# KiCad board FD-checkver.kicad_pcb (continued)
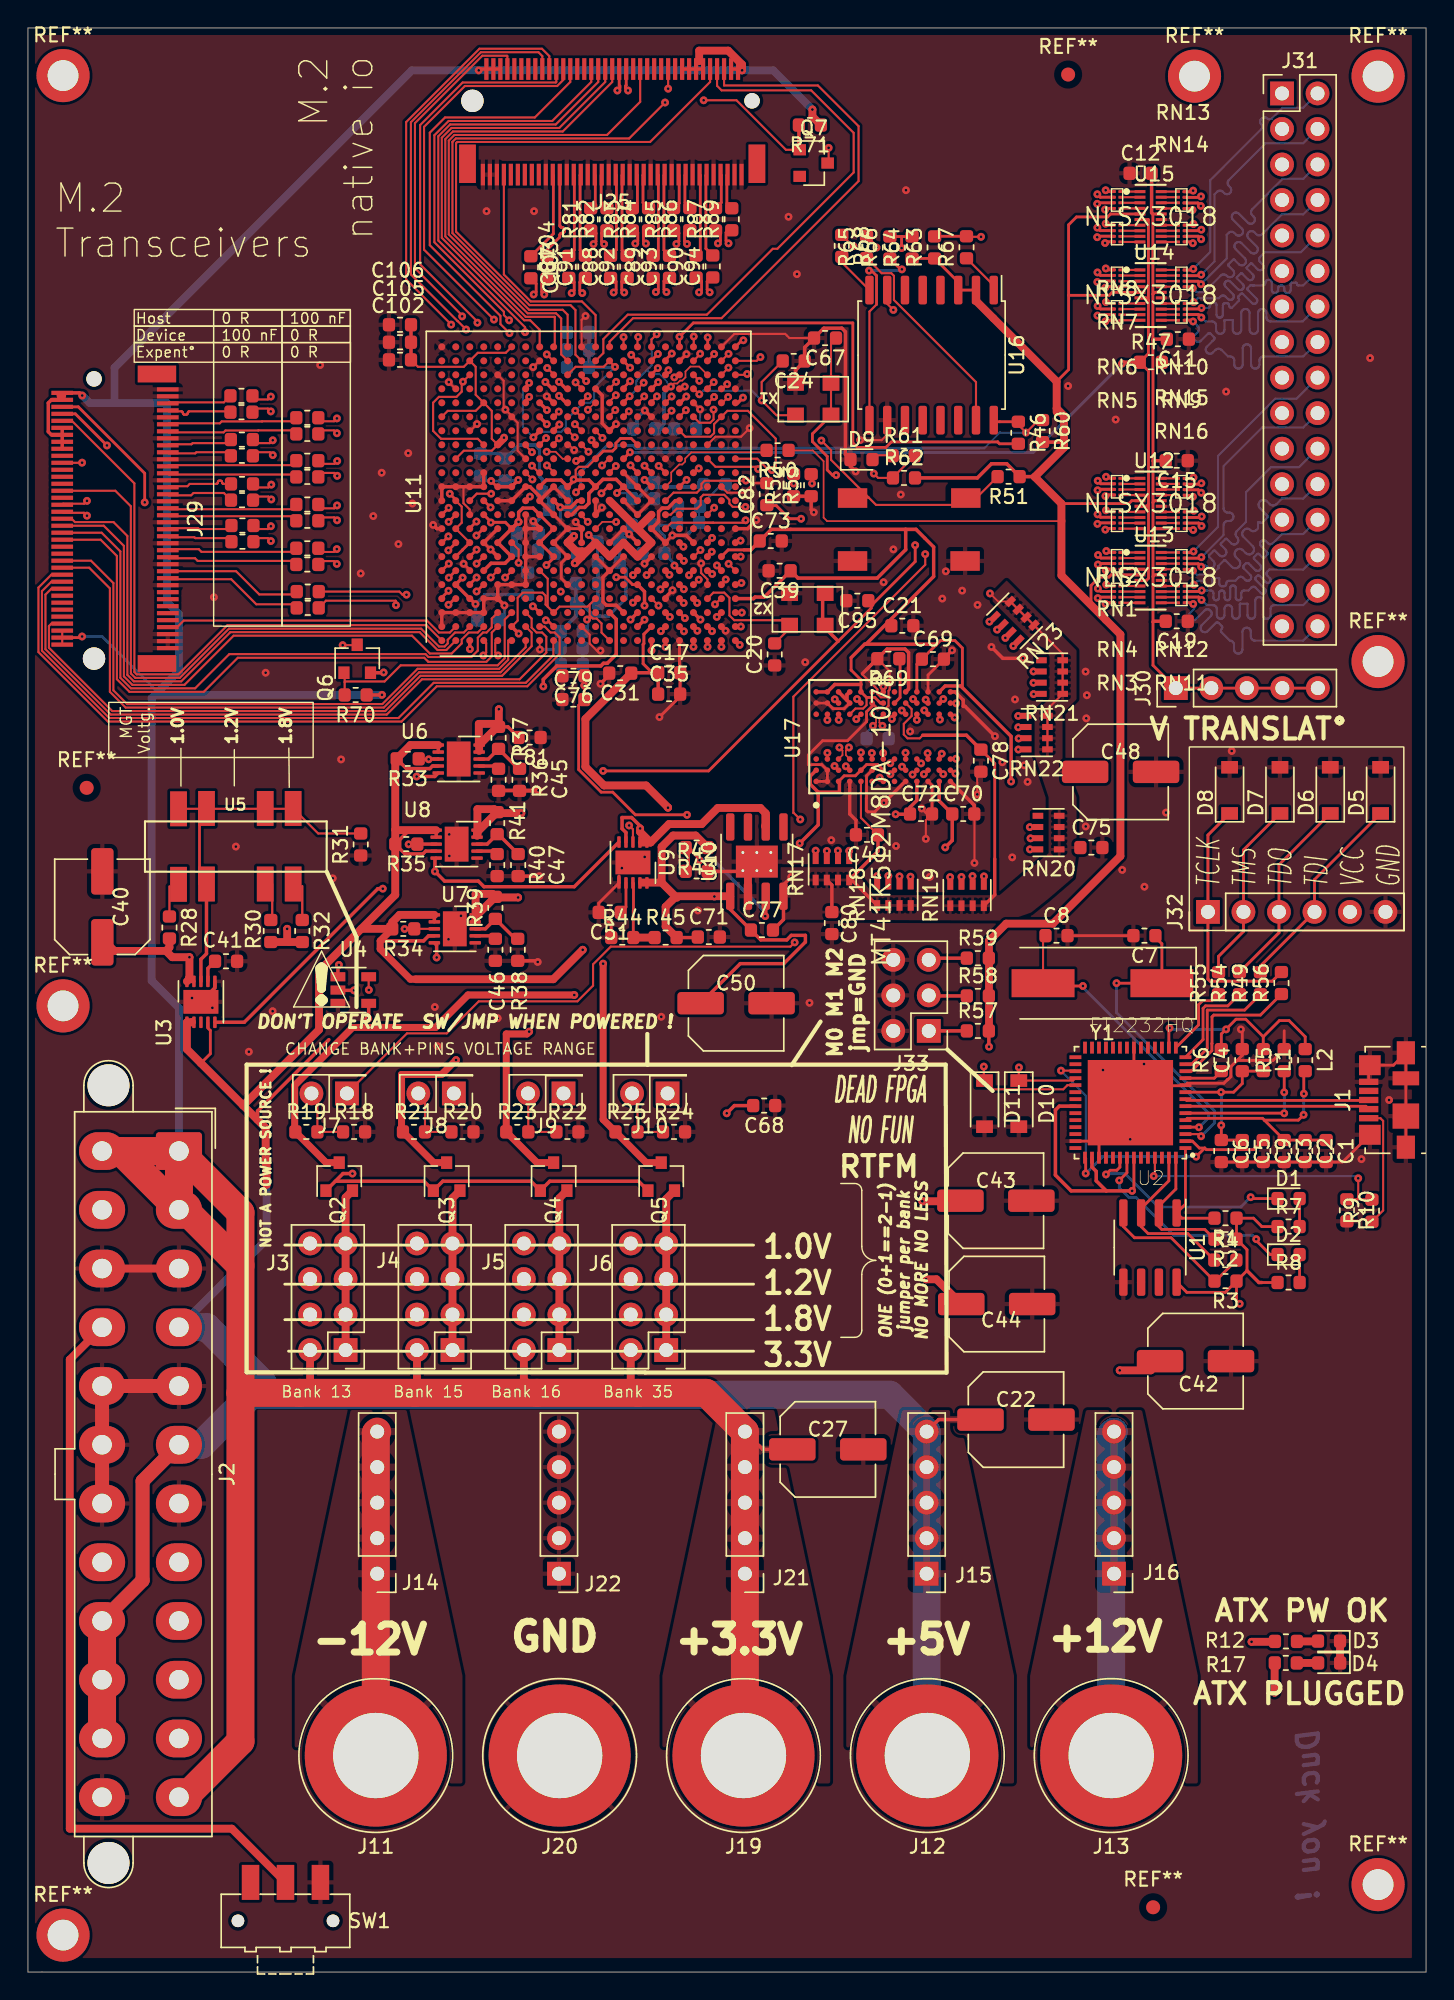
[diagram p0: board, top side]
## Routing (per net, layer and track width the routed paths; a pad name or vN(x,y) marks a point on that pad's centre or on a via; arc(x,y) is an arc through that point) (continued)
  In2.Cu_SigDDR w0.15: v1(37.1,108.7) 37.1,108.29 37.02,108.21 35.83,108.21 34.61,107 34.61,105.94 38.11,102.44 v1(38.11,98.7)
  In4.Cu_SigDDR w0.12: 37.5,109.56 37.5,109.1 v1(37.1,108.7) ; 37.5,109.56 37.5,109.29 ; 37.5,109.56 37.5,109.71 37.55,109.76 37.55,111.25 v1(37.12,111.68)
  In4.Cu_SigDDR w0.2: v1(38.11,98.7) 38.31,98.5 38.31,94.08 36.38,92.15 36.38,90.32 38.13,88.56 38.13,62.99
VCCFPGA_S1_VREF_V4: length 43.4
  Top w0.25: U11.N3 42.08,96.72 42.08,94.22 41.44,93.58 41.16,93.58 40.97,93.39 37.82,93.39 36.86,92.42 v1(36.86,91.92)
  In4.Cu_SigDDR w0.25: v1(36.86,91.92) 36.86,90.3 38.46,88.7 38.46,68.4 41.27,65.59 42.98,65.59 J10.1
/fgpa-logic/m0: length 72.3
  Top w0.15: v1(51.35,106.64) 51.34,106.63 48.4,106.63 48.17,106.4 48.17,106.1 47.84,105.77 46.17,105.77 U11.U11
  Top w0.25: R57.1 J33.1
  In2.Cu_SigDDR w0.15: v1(51.35,106.64) 51.72,106.27 53.94,106.27 54.55,106.89 56.68,106.89 57.22,106.35 64.32,106.35 76.88,93.79 76.88,79.74 J33.1
/fgpa-logic/m1: length 70.4
  Top w0.15: U11.U10 45.97,104.2 46.4,104.63 47.85,104.63 48.12,104.9 48.12,105.43 48.32,105.63 49.8,105.63 50.17,105.26 50.17,105 50.41,104.76 v1(51.32,104.76) 51.33,104.77
  Top w0.25: R58.1 64.47,69.79
  In2.Cu_SigDDR w0.15: v1(51.32,104.76) 51.33,104.77 53.99,104.77 54.65,105.44 61.55,105.44 62.21,106.1 64.03,106.1 76.62,93.51 76.62,80.61 65.84,69.83 J33.3
/fgpa-logic/m2: length 68.3
  Top w0.15: 48.4,103.63 49.03,103.63 ; 49.03,103.63 46.44,103.63 ; 49.03,103.63 51.16,103.63 v1(51.33,103.8) ; 46.44,103.63 46.8,103.63 ; 46.44,103.63 46.03,103.63 U11.U9 ; 51.14,103.77 51.21,103.84
  Top w0.2: v1(51.33,103.8) 51.3,103.77 51.14,103.77
  Top w0.25: R59.1 64.55,72.49
  In2.Cu_SigDDR w0.15: J33.5 68.02,72.37 76.37,80.72 76.37,93.21 64.4,105.18 54.76,105.18 53.88,104.31 51.84,104.31 v1(51.33,103.8)
/usb-interface/D+: length 12.6
  Top w0.2: 95.35,62.32 82.88,62.32 U2.8
/usb-interface/D-: length 13.2
  Top w0.2: 82.8,61.9 95.7,61.9 J1.2
ATX_POWEROK: length 177.7
  Top w0.15: v1(24.38,70.22) 24.37,70.23 U4.5
  Top w0.244: U6.5 29.1,85.48 v1(27.8,85.48)
  Top w0.56: R12.2 89.16,23.61 v1(87.52,23.61)
  In2.Cu_SigDDR w0.15: v1(24.38,70.22) 23.89,69.73 15.43,69.73 13.64,71.52 13.64,71.65
  In2.Cu_SigDDR w0.244: v1(27.8,85.48) 27.47,85.48 12.67,70.68 12.67,31.17 J2.8
  In4.Cu_SigDDR w0.56: J2.8 21.42,29.3 32.57,18.15 32.57,10.96 33.51,10.02 80.1,10.02 87.52,17.44 v1(87.52,23.61)
DDR_A0: length 47.1
  Top w0.15: 63.58,86.72 v1(63.88,86.42) ; 50.6,100.2 v1(50.11,100.69)
  In2.Cu_SigDDR w0.15: v1(66.77,78.3) 66.77,78.32 66.3,78.79 66.3,79.05 66.3,79.08 66.31,79.11 66.33,79.14 66.35,79.16 66.38,79.18 66.41,79.19 66.47,79.19 66.5,79.2 66.53,79.22 66.55,79.24 66.57,79.27 66.58,79.3 66.58,79.33 66.58,79.35 66.58,79.38 66.57,79.41 66.55,79.44 66.53,79.46 66.5,79.48 66.47,79.49 66.44,79.49 66.3,79.49 66.3,79.5 66.16,79.5 66.13,79.5 66.1,79.51 66.07,79.53 66.05,79.55 66.03,79.58 66.02,79.61 66.02,79.64 66.02,79.66 66.02,79.69 66.03,79.72 66.05,79.75 66.07,79.77 66.1,79.79 66.13,79.8 66.19,79.8 66.22,79.81 66.25,79.83 66.27,79.85 66.29,79.88 66.3,79.91 66.3,79.94 66.3,82.21 64.53,83.98 64.53,86.17 64.28,86.42 v1(63.88,86.42)
  In4.Cu_SigDDR w0.15: v1(63.88,86.42) 63.88,87.93 64.8,88.85 66.45,88.85 67.41,89.82 67.41,91.74 67.25,91.89 67.24,91.91 67.23,91.93 67.23,91.95 67.23,91.98 67.23,92 67.24,92.02 67.27,92.05 67.28,92.07 67.28,92.09 67.28,92.12 67.28,92.14 67.27,92.16 67.25,92.18 67.04,92.39 67.02,92.4 67,92.41 66.98,92.42 66.96,92.42 66.94,92.41 66.92,92.4 66.9,92.39 66.83,92.32 66.83,92.32 66.78,92.27 66.77,92.26 66.75,92.25 66.73,92.25 66.72,92.25 66.7,92.25 66.69,92.26 66.67,92.27 66.42,92.52 66.41,92.53 66.41,92.54 66.4,92.56 66.4,92.58 66.41,92.59 66.41,92.61 66.42,92.62 66.55,92.74 66.56,92.76 66.57,92.78 66.58,92.8 66.58,92.82 66.57,92.85 66.56,92.87 66.55,92.88 66.33,93.1 66.32,93.11 66.3,93.12 66.27,93.12 66.25,93.12 66.23,93.12 66.21,93.11 66.19,93.1 66.07,92.97 66.06,92.96 66.04,92.96 66.03,92.95 66.01,92.95 65.99,92.96 65.98,92.96 65.97,92.97 65.72,93.22 65.71,93.24 65.7,93.25 65.7,93.27 65.7,93.28 65.7,93.3 65.71,93.31 65.72,93.33 65.84,93.45 65.85,93.47 65.86,93.49 65.87,93.51 65.87,93.53 65.86,93.55 65.85,93.57 65.84,93.59 65.63,93.8 65.61,93.82 65.59,93.83 65.57,93.83 65.55,93.83 65.52,93.83 65.5,93.82 65.49,93.8 65.36,93.68 65.35,93.67 65.34,93.66 65.32,93.66 65.3,93.66 65.29,93.66 65.27,93.67 65.26,93.68 65.01,93.93 65,93.94 64.99,93.96 64.99,93.97 64.99,93.99 64.99,94.01 65,94.02 65.01,94.03 65.13,94.16 65.15,94.17 65.16,94.19 65.16,94.22 65.16,94.24 65.16,94.26 65.15,94.28 65.13,94.3 64.92,94.51 64.9,94.52 64.88,94.53 64.86,94.54 64.84,94.54 64.82,94.53 64.8,94.52 64.78,94.51 64.66,94.39 64.64,94.38 64.63,94.37 64.61,94.37 64.6,94.37 64.58,94.37 64.57,94.38 64.55,94.39 64.3,94.64 64.29,94.65 64.29,94.67 64.28,94.68 64.28,94.7 64.29,94.71 64.29,94.73 64.3,94.74 64.43,94.86 64.44,94.88 64.45,94.9 64.45,94.92 64.45,94.95 64.45,94.97 64.44,94.99 64.43,95 64.21,95.22 64.2,95.23 64.18,95.24 64.15,95.25 64.13,95.25 64.11,95.24 64.09,95.23 64.07,95.22 63.95,95.1 63.94,95.09 63.92,95.08 63.91,95.07 63.89,95.07 63.87,95.08 63.86,95.09 63.85,95.1 63.6,95.34 63.59,95.36 63.58,95.37 63.58,95.39 63.58,95.4 63.58,95.42 63.59,95.44 63.6,95.45 63.72,95.57 63.73,95.59 63.74,95.61 63.75,95.63 63.75,95.65 63.74,95.67 63.73,95.69 63.72,95.71 63.51,95.92 63.49,95.94 63.47,95.95 63.45,95.95 63.42,95.95 63.4,95.95 63.38,95.94 63.37,95.92 63.24,95.8 63.23,95.79 63.21,95.78 63.2,95.78 63.18,95.78 63.17,95.78 63.15,95.79 63.14,95.8 62.89,96.05 62.88,96.06 62.87,96.08 62.87,96.1 62.87,96.11 62.87,96.13 62.88,96.14 62.89,96.16 63.01,96.28 63.03,96.3 63.04,96.32 63.04,96.34 63.04,96.36 63.04,96.38 63.03,96.4 63.01,96.42 62.8,96.63 62.78,96.65 62.76,96.66 62.74,96.66 62.72,96.66 62.7,96.66 62.68,96.65 62.66,96.63 62.54,96.51 62.52,96.5 62.51,96.49 62.49,96.49 62.48,96.49 62.46,96.49 62.44,96.5 62.43,96.51 62.18,96.76 62.17,96.77 62.16,96.79 62.16,96.8 62.16,96.82 62.16,96.84 62.17,96.85 62.18,96.86 62.3,96.99 62.32,97 62.33,97.02 62.33,97.04 62.33,97.07 62.33,97.09 62.32,97.11 62.3,97.13 62.09,97.34 62.07,97.35 62.05,97.36 62.03,97.37 62.01,97.37 61.99,97.36 61.97,97.35 61.95,97.34 61.83,97.22 61.82,97.21 61.8,97.2 61.78,97.2 61.77,97.2 61.75,97.2 61.74,97.21 61.72,97.22 61.48,97.47 61.46,97.48 61.46,97.49 61.45,97.51 61.45,97.53 61.46,97.54 61.46,97.56 61.48,97.57 61.6,97.69 61.61,97.71 61.62,97.73 61.63,97.75 61.63,97.77 61.62,97.8 61.61,97.82 61.6,97.83 61.38,98.05 61.37,98.06 61.35,98.07 61.32,98.07 61.3,98.07 61.28,98.07 61.26,98.06 61.24,98.05 61.12,97.92 61.11,97.91 61.09,97.91 61.08,97.9 61.06,97.9 61.04,97.91 61.03,97.91 61.02,97.92 60.77,98.17 60.76,98.19 60.75,98.2 60.75,98.22 60.75,98.23 60.75,98.25 60.76,98.26 60.77,98.28 60.89,98.4 60.9,98.42 60.91,98.44 60.92,98.46 60.92,98.48 60.91,98.5 60.9,98.52 60.89,98.54 60.68,98.75 60.66,98.77 60.64,98.78 60.62,98.78 60.6,98.78 60.57,98.78 60.55,98.77 60.54,98.75 60.41,98.63 60.4,98.62 60.39,98.61 60.37,98.61 60.35,98.61 60.34,98.61 60.32,98.62 60.31,98.63 60.06,98.88 60.05,98.89 60.04,98.91 60.04,98.92 60.04,98.94 60.04,98.96 60.05,98.97 60.07,99 60.08,99.01 60.08,99.03 60.08,99.05 60.08,99.06 60.07,99.08 60.06,99.09 58.68,100.47 57.23,100.47 57.19,100.47 57.15,100.45 57.12,100.43 57.09,100.4 57.07,100.37 57.06,100.33 57.05,100.26 57.04,100.22 57.02,100.19 56.99,100.16 56.96,100.14 56.92,100.12 56.88,100.12 56.63,100.12 56.59,100.12 56.55,100.14 56.52,100.16 56.49,100.19 56.47,100.22 56.46,100.26 56.45,100.33 56.44,100.37 56.42,100.4 56.39,100.43 56.36,100.45 56.32,100.47 56.28,100.47 56.03,100.47 55.99,100.47 55.95,100.45 55.92,100.43 55.89,100.4 55.87,100.37 55.86,100.33 55.85,100.26 55.84,100.22 55.82,100.19 55.79,100.16 55.76,100.14 55.72,100.12 55.68,100.12 55.43,100.12 55.39,100.12 55.35,100.14 55.32,100.16 55.29,100.19 55.27,100.22 55.26,100.26 55.25,100.33 55.24,100.37 55.22,100.4 55.19,100.43 55.16,100.45 55.12,100.47 55.08,100.47 54.83,100.47 54.79,100.47 54.75,100.45 54.72,100.43 54.69,100.4 54.67,100.37 54.66,100.33 54.65,100.26 54.64,100.22 54.62,100.19 54.59,100.16 54.56,100.14 54.52,100.12 54.48,100.12 54.23,100.12 54.19,100.12 54.15,100.14 54.12,100.16 54.09,100.19 54.07,100.22 54.06,100.26 54.05,100.33 54.04,100.37 54.02,100.4 53.99,100.43 53.96,100.45 53.92,100.47 53.88,100.47 53.63,100.47 53.59,100.47 53.55,100.45 53.52,100.43 53.49,100.4 53.47,100.37 53.46,100.33 53.45,100.26 53.44,100.22 53.42,100.19 53.39,100.16 53.36,100.14 53.32,100.12 53.28,100.12 53.03,100.12 52.99,100.12 52.95,100.14 52.92,100.16 52.89,100.19 52.87,100.22 52.86,100.26 52.85,100.33 52.84,100.37 52.82,100.4 52.79,100.43 52.76,100.45 52.72,100.47 52.68,100.47 51.59,100.47 51.37,100.69 v1(50.11,100.69)
DDR_A1: length 50.1
  Top w0.15: 64.38,89.94 v1(64.11,90.21) ; v1(45.1,97.7) U11.T4
  In2.Cu_SigDDR w0.15: v1(64.11,90.21) 64.7,90.8 64.7,90.99 64.88,91.17 64.91,91.2 64.92,91.24 64.93,91.27 64.93,91.31 64.92,91.34 64.91,91.37 64.86,91.43 64.85,91.46 64.84,91.5 64.84,91.53 64.85,91.57 64.86,91.6 64.88,91.63 64.94,91.68 64.97,91.71 65,91.72 65.04,91.73 65.07,91.73 65.11,91.72 65.14,91.71 65.17,91.68 65.28,91.57 65.29,91.58 65.35,91.52 65.37,91.51 65.38,91.5 65.4,91.5 65.42,91.5 65.44,91.5 65.46,91.51 65.47,91.52 65.63,91.68 65.65,91.7 65.65,91.72 65.66,91.74 65.66,91.75 65.65,91.77 65.65,91.79 65.63,91.8 65.46,91.98 65.44,92.01 65.42,92.04 65.42,92.07 65.42,92.11 65.42,92.14 65.44,92.18 65.46,92.2 65.52,92.26 65.55,92.28 65.58,92.3 65.61,92.31 65.65,92.31 65.68,92.3 65.72,92.28 65.74,92.26 65.93,92.07 65.95,92.05 65.98,92.04 66,92.04 66.02,92.04 66.05,92.04 66.07,92.05 66.09,92.07 66.22,92.2 66.23,92.22 66.24,92.24 66.25,92.26 66.25,92.29 66.24,92.31 66.23,92.33 66.22,92.35 66.03,92.54 66,92.57 65.99,92.6 65.98,92.64 65.98,92.67 65.99,92.71 66,92.74 66.03,92.77 66.08,92.83 66.11,92.85 66.14,92.86 66.18,92.87 66.21,92.87 66.25,92.86 66.28,92.85 66.34,92.8 66.37,92.79 66.41,92.78 66.44,92.78 66.48,92.79 66.51,92.8 66.54,92.83 66.91,93.2 68.87,93.2 v1(70.48,94.81)
  In4.Cu_SigDDR w0.15: v1(64.11,90.21) 63.76,90.56 63.76,91.23 63.22,91.76 63.21,91.78 63.21,91.79 63.2,91.81 63.2,91.82 63.21,91.84 63.21,91.85 63.23,91.88 63.24,91.89 63.24,91.91 63.24,91.93 63.24,91.94 63.23,91.96 63.22,91.97 63.08,92.11 63.07,92.12 63.05,92.13 63.04,92.13 63.02,92.13 63,92.13 62.99,92.12 62.98,92.11 62.92,92.06 62.92,92.06 62.62,91.77 62.59,91.74 62.56,91.72 62.52,91.72 62.48,91.72 62.44,91.72 62.41,91.74 62.38,91.77 62.35,91.8 62.34,91.83 62.33,91.87 62.33,91.91 62.34,91.95 62.35,91.98 62.38,92.01 62.73,92.36 62.74,92.38 62.74,92.39 62.75,92.41 62.75,92.42 62.74,92.44 62.74,92.45 62.73,92.47 62.58,92.61 62.57,92.62 62.55,92.63 62.54,92.63 62.52,92.63 62.51,92.63 62.49,92.62 62.48,92.61 62.13,92.26 62.1,92.24 62.06,92.22 62.03,92.21 61.99,92.21 61.95,92.22 61.91,92.24 61.88,92.26 61.86,92.29 61.84,92.33 61.83,92.37 61.83,92.4 61.84,92.44 61.86,92.48 61.88,92.51 62.06,92.68 62.08,92.71 62.1,92.75 62.11,92.79 62.11,92.83 62.1,92.86 62.08,92.9 62.06,92.93 61.79,93.2 61.59,93.2 61.55,93.2 61.51,93.22 61.48,93.24 61.45,93.27 61.43,93.3 61.42,93.34 61.41,93.38 61.41,93.47 61.41,93.51 61.39,93.55 61.37,93.58 61.35,93.61 61.31,93.63 61.27,93.64 61.24,93.65 61.2,93.64 61.16,93.63 61.13,93.61 61.1,93.58 61.08,93.55 61.07,93.51 61.06,93.47 61.06,92.83 61.06,92.79 61.04,92.75 61.02,92.72 61,92.69 60.96,92.67 60.92,92.66 60.89,92.65 60.85,92.66 60.81,92.67 60.78,92.69 60.75,92.72 60.73,92.75 60.72,92.79 60.71,92.83 60.71,93.03 60.71,93.06 60.69,93.1 60.67,93.13 60.65,93.16 60.61,93.18 60.57,93.2 60.54,93.2 60.5,93.2 60.46,93.18 60.43,93.16 60.4,93.13 60.38,93.1 60.37,93.06 60.36,93.03 60.36,92.83 60.36,92.79 60.34,92.75 60.32,92.72 60.3,92.69 60.26,92.67 60.22,92.66 60.19,92.65 60.15,92.66 60.11,92.67 60.08,92.69 60.05,92.72 60.03,92.75 60.02,92.79 60.01,92.83 60.01,93.03 60.01,93.06 59.99,93.1 59.97,93.13 59.95,93.16 59.91,93.18 59.87,93.2 59.84,93.2 59.8,93.2 59.76,93.18 59.73,93.16 59.7,93.13 59.68,93.1 59.67,93.06 59.66,93.03 59.66,92.83 59.66,92.79 59.64,92.75 59.62,92.72 59.6,92.69 59.56,92.67 59.52,92.66 59.49,92.65 59.45,92.66 59.41,92.67 59.38,92.69 59.35,92.72 59.33,92.75 59.32,92.79 59.31,92.83 59.31,93.03 59.31,93.06 59.29,93.1 59.27,93.13 59.25,93.16 59.21,93.18 59.17,93.2 59.14,93.2 59.1,93.2 59.06,93.18 59.03,93.16 59,93.13 58.98,93.1 58.97,93.06 58.96,93.03 58.96,92.83 58.96,92.79 58.94,92.75 58.92,92.72 58.9,92.69 58.86,92.67 58.82,92.66 58.79,92.65 58.75,92.66 58.71,92.67 58.68,92.69 58.65,92.72 58.63,92.75 58.62,92.79 58.61,92.83 58.61,93.25 58.61,93.26 58.61,93.27 58.6,93.28 58.59,93.29 58.58,93.3 58.57,93.3 58.56,93.3 58.31,93.3 58.3,93.3 58.29,93.3 58.28,93.29 58.27,93.28 58.27,93.27 58.26,93.26 58.26,93.25 58.26,92.83 58.26,92.79 58.24,92.75 58.22,92.72 58.2,92.69 58.16,92.67 58.12,92.66 58.09,92.65 58.05,92.66 58.01,92.67 57.98,92.69 57.95,92.72 57.93,92.75 57.92,92.79 57.91,92.83 57.91,93.03 57.91,93.06 57.89,93.1 57.87,93.13 57.85,93.16 57.81,93.18 57.77,93.2 57.74,93.2 57.7,93.2 57.66,93.18 57.63,93.16 57.6,93.13 57.58,93.1 57.57,93.06 57.56,93.03 57.56,92.83 57.56,92.79 57.54,92.75 57.52,92.72 57.5,92.69 57.46,92.67 57.42,92.66 57.39,92.65 57.35,92.66 57.31,92.67 57.28,92.69 57.25,92.72 57.23,92.75 57.22,92.79 57.21,92.83 57.21,93.03 57.21,93.06 57.19,93.1 57.17,93.13 57.15,93.16 57.11,93.18 57.07,93.2 57.04,93.2 57,93.2 56.96,93.18 56.93,93.16 56.9,93.13 56.88,93.1 56.87,93.06 56.86,93.03 56.86,92.83 56.86,92.79 56.84,92.75 56.82,92.72 56.8,92.69 56.76,92.67 56.72,92.66 56.69,92.65 56.65,92.66 56.61,92.67 56.58,92.69 56.55,92.72 56.53,92.75 56.52,92.79 56.51,92.83 56.51,93.03 56.51,93.06 56.49,93.1 56.47,93.13 56.45,93.16 56.41,93.18 56.37,93.2 56.34,93.2 56.3,93.2 56.26,93.18 56.23,93.16 56.2,93.13 56.18,93.1 56.17,93.06 56.16,93.03 56.16,92.83 56.16,92.79 56.14,92.75 56.12,92.72 56.1,92.69 56.06,92.67 56.02,92.66 55.99,92.65 55.95,92.66 55.91,92.67 55.88,92.69 55.85,92.72 55.83,92.75 55.82,92.79 55.81,92.83 55.81,93.03 55.81,93.06 55.79,93.1 55.77,93.13 55.75,93.16 55.71,93.18 55.67,93.2 55.64,93.2 55.18,93.2 55.11,93.27 55.09,93.29 55.08,93.32 55.07,93.34 55.07,93.37 55.08,93.4 55.09,93.42 55.13,93.47 55.14,93.49 55.14,93.52 55.14,93.55 55.14,93.57 55.13,93.6 55.11,93.62 55.04,93.69 55.01,93.71 54.99,93.72 54.96,93.73 54.93,93.73 54.91,93.72 54.88,93.71 54.86,93.69 54.77,93.61 54.44,93.27 54.41,93.25 54.37,93.23 54.34,93.22 54.3,93.22 54.26,93.23 54.22,93.25 54.19,93.27 54.17,93.3 54.15,93.34 54.14,93.38 54.14,93.42 54.15,93.46 54.17,93.49 54.19,93.52 54.4,93.73 54.43,93.76 54.44,93.8 54.45,93.83 54.45,93.87 54.44,93.91 54.43,93.95 54.4,93.98 54.37,94 54.34,94.02 54.3,94.03 54.26,94.03 54.22,94.02 54.19,94 54.15,93.98 53.95,93.77 53.91,93.74 53.88,93.73 53.84,93.72 53.8,93.72 53.76,93.73 53.73,93.74 53.7,93.77 53.67,93.8 53.66,93.83 53.65,93.87 53.65,93.91 53.66,93.95 53.67,93.99 53.7,94.02 53.91,94.23 53.93,94.26 53.95,94.29 53.96,94.33 53.96,94.37 53.95,94.41 53.93,94.44 53.91,94.47 53.88,94.5 53.84,94.51 53.8,94.52 53.76,94.52 53.73,94.51 53.69,94.5 53.66,94.47 53.45,94.26 53.42,94.24 53.38,94.22 53.35,94.21 53.31,94.21 53.27,94.22 53.23,94.24 53.2,94.26 53.18,94.29 53.16,94.33 53.15,94.37 53.15,94.41 53.16,94.45 53.18,94.48 53.2,94.51 53.41,94.72 53.44,94.75 53.45,94.79 53.46,94.82 53.46,94.86 53.45,94.9 53.44,94.94 53.41,94.97 53.38,94.99 53.35,95.01 53.31,95.02 53.27,95.02 53.23,95.01 53.2,94.99 53.16,94.97 52.96,94.76 52.92,94.73 52.89,94.72 52.85,94.71 52.81,94.71 52.77,94.72 52.74,94.73 52.71,94.76 52.68,94.79 52.67,94.82 52.66,94.86 52.66,94.9 52.67,94.94 52.68,94.98 52.71,95.01 52.92,95.22 52.94,95.25 52.96,95.28 52.97,95.32 52.97,95.36 52.96,95.4 52.94,95.43 52.92,95.46 52.89,95.49 52.85,95.5 52.81,95.51 52.77,95.51 52.74,95.5 52.7,95.49 52.67,95.46 52.46,95.25 52.43,95.23 52.39,95.21 52.36,95.2 52.32,95.2 52.28,95.21 52.24,95.23 52.21,95.25 52.19,95.28 52.17,95.32 52.16,95.36 52.16,95.4 52.17,95.44 52.19,95.47 52.21,95.5 52.42,95.71 52.45,95.74 52.46,95.78 52.47,95.81 52.47,95.85 52.46,95.89 52.45,95.93 52.42,95.96 51.76,96.62 51.76,97.52 51.38,97.9 50.83,97.9 50.39,98.34 45.74,98.34 v1(45.1,97.7)
DDR_A2: length 45.6
  Top w0.15: v1(64.35,87.15) 64.38,87.12 U17.L3
  In2.Cu_SigDDR w0.15: v1(64.35,87.15) 65.02,86.48 65.02,84.46 67.05,82.43 67.05,82.21 67.05,82.19 67.04,82.16 67.03,82.14 67.01,82.13 66.99,82.12 66.97,82.11 66.92,82.1 66.9,82.09 66.88,82.08 66.86,82.07 66.85,82.05 66.84,82.02 66.84,82 66.84,81.91 66.84,81.89 66.85,81.86 66.86,81.84 66.88,81.83 66.9,81.82 66.92,81.81 66.97,81.8 66.99,81.79 67.01,81.78 67.03,81.77 67.04,81.75 67.05,81.72 67.05,81.7 67.05,78.87 v1(67.56,78.36)
  In4.Cu_SigDDR w0.15: v1(64.35,87.15) 64.35,87.8 64.69,88.14 66.25,88.14 67.74,89.63 67.74,92.12 61.82,98.04 61.77,98.1 61.74,98.16 61.73,98.22 61.73,98.29 61.74,98.36 61.77,98.42 61.82,98.47 61.92,98.58 61.96,98.63 61.99,98.69 62.01,98.75 62.01,98.82 61.99,98.89 61.96,98.95 61.92,99 61.87,99.04 61.81,99.07 61.74,99.09 61.68,99.09 61.61,99.07 61.55,99.04 61.5,99 61.39,98.89 61.34,98.85 61.28,98.82 61.21,98.81 61.15,98.81 61.08,98.82 61.02,98.85 60.97,98.89 60.47,99.39 60.45,99.41 60.42,99.42 60.4,99.42 60.37,99.42 60.34,99.42 60.32,99.41 60.27,99.37 60.25,99.36 60.22,99.35 60.19,99.35 60.17,99.36 60.14,99.37 60.12,99.39 59.87,99.64 59.85,99.66 59.84,99.68 59.83,99.71 59.83,99.74 59.84,99.77 59.85,99.79 59.87,99.81 60.28,100.22 60.32,100.27 60.35,100.33 60.36,100.4 60.36,100.46 60.35,100.53 60.32,100.59 60.28,100.64 60.22,100.69 60.16,100.71 60.1,100.73 60.03,100.73 59.97,100.71 59.91,100.69 59.85,100.64 59.45,100.24 59.42,100.22 59.4,100.21 59.37,100.2 59.34,100.2 59.32,100.21 59.29,100.22 59.27,100.24 59.02,100.48 59,100.51 58.99,100.53 58.99,100.56 58.99,100.59 58.99,100.61 59,100.64 59.04,100.68 59.05,100.71 59.06,100.74 59.06,100.76 59.05,100.79 59.04,100.82 59.02,100.84 58.81,101.05 58.28,101.05 58.25,101.05 58.22,101.04 58.19,101.02 58.17,100.99 58.15,100.97 58.14,100.93 58.13,100.87 58.12,100.83 58.1,100.81 58.08,100.78 58.05,100.76 58.02,100.75 57.99,100.75 57.69,100.75 57.65,100.75 57.62,100.76 57.59,100.78 57.57,100.81 57.55,100.83 57.54,100.87 57.53,100.9 57.53,101.12 57.53,101.14 57.53,101.16 57.52,101.17 57.51,101.18 57.49,101.19 57.48,101.2 57.46,101.2 57.01,101.2 56.99,101.2 56.98,101.19 56.96,101.18 56.95,101.17 56.94,101.16 56.94,101.14 56.94,101.12 56.94,100.88 56.93,100.84 56.92,100.8 56.9,100.77 56.87,100.74 56.84,100.72 56.8,100.7 56.76,100.7 56.51,100.7 56.47,100.7 56.43,100.72 56.4,100.74 56.37,100.77 56.35,100.8 56.34,100.84 56.34,100.88 56.34,101.12 56.33,101.14 56.33,101.16 56.32,101.17 56.31,101.18 56.29,101.19 56.28,101.2 56.26,101.2 55.81,101.2 55.79,101.2 55.78,101.19 55.76,101.18 55.75,101.17 55.74,101.16 55.74,101.14 55.74,101.12 55.74,100.88 55.73,100.84 55.72,100.8 55.7,100.77 55.67,100.74 55.64,100.72 55.6,100.7 55.56,100.7 55.31,100.7 55.27,100.7 55.23,100.72 55.2,100.74 55.17,100.77 55.15,100.8 55.14,100.84 55.13,100.88 55.13,101.12 55.13,101.14 55.13,101.16 55.12,101.17 55.11,101.18 55.09,101.19 55.08,101.2 55.06,101.2 54.61,101.2 54.59,101.2 54.58,101.19 54.56,101.18 54.55,101.17 54.54,101.16 54.54,101.14 54.53,101.12 54.53,100.88 54.53,100.84 54.52,100.8 54.5,100.77 54.47,100.74 54.44,100.72 54.4,100.7 54.36,100.7 54.11,100.7 54.07,100.7 54.03,100.72 54,100.74 53.97,100.77 53.95,100.8 53.94,100.84 53.94,100.88 53.94,101.12 53.93,101.14 53.93,101.16 53.92,101.17 53.91,101.18 53.89,101.19 53.88,101.2 53.86,101.2 53.41,101.2 53.39,101.2 53.38,101.19 53.36,101.18 53.35,101.17 53.34,101.16 53.34,101.14 53.34,101.12 53.34,100.88 53.33,100.84 53.32,100.8 53.3,100.77 53.27,100.74 53.24,100.72 53.2,100.7 53.16,100.7 52.91,100.7 52.87,100.7 52.83,100.72 52.8,100.74 52.77,100.77 52.75,100.8 52.74,100.84 52.74,100.88 52.74,101.12 52.73,101.14 52.73,101.16 52.72,101.17 52.71,101.18 52.69,101.19 52.68,101.2 52.66,101.2 52.21,101.2 52.19,101.2 52.18,101.19 52.16,101.18 52.15,101.17 52.14,101.16 52.14,101.14 52.13,101.12 52.13,100.92 52.13,100.9 52.12,100.87 52.11,100.85 52.09,100.83 52.06,100.81 52.04,100.8 52.01,100.8 51.66,100.8 51.63,100.8 51.61,100.81 51.58,100.83 51.56,100.85 51.55,100.87 51.54,100.9 51.53,100.95 51.52,100.98 51.51,101 51.49,101.02 51.46,101.04 51.44,101.05 51.41,101.05 51.13,101.05 v1(50.98,101.2)
DDR_A3: length 48.4
  Top w0.15: U17.K2 63.25,85.6 ; 48.7,100.2 v1(48.94,99.96)
  In2.Cu_SigDDR w0.15: 63.25,85.6 63.46,85.4 63.46,80.55 63.47,80.51 63.48,80.46 63.5,80.43 63.54,80.39 63.57,80.37 63.62,80.36 63.66,80.35 64,80.35 64.05,80.34 64.09,80.33 64.13,80.31 64.16,80.27 64.18,80.24 64.2,80.19 64.2,80.15 64.2,80.11 64.18,80.06 64.16,80.03 64.13,79.99 64.09,79.97 64.05,79.96 64,79.95 63.34,79.95 63.31,79.95 63.29,79.94 63.26,79.92 63.24,79.9 63.23,79.88 63.22,79.86 63.22,79.83 63.22,79.67 63.22,79.64 63.23,79.62 63.24,79.6 63.26,79.58 63.29,79.56 63.31,79.55 63.34,79.55 64,79.55 64.05,79.54 64.09,79.53 64.13,79.51 64.16,79.47 64.18,79.44 64.2,79.39 64.2,79.35 64.2,79.31 64.18,79.26 64.16,79.23 64.13,79.19 64.09,79.17 64.05,79.16 64,79.15 63.66,79.15 63.62,79.14 63.57,79.13 63.54,79.11 63.5,79.07 63.48,79.04 63.47,78.99 63.46,78.95 63.46,78.66 v1(63.12,78.32)
  In4.Cu_SigDDR w0.15: 63.25,85.6 63.25,88.08 64.27,89.1 66.35,89.1 66.9,89.65 66.9,91.64 66.72,91.82 66.7,91.83 66.68,91.84 66.66,91.85 66.64,91.85 66.61,91.84 66.59,91.83 66.56,91.8 66.54,91.79 66.52,91.79 66.49,91.79 66.47,91.79 66.45,91.8 66.44,91.82 66.33,91.92 66.31,91.94 66.31,91.96 66.3,91.98 66.3,92.01 66.31,92.03 66.31,92.05 66.34,92.08 66.35,92.1 66.36,92.12 66.36,92.15 66.35,92.17 66.34,92.19 66.33,92.21 66.22,92.31 66.21,92.33 66.19,92.34 66.16,92.34 66.14,92.34 66.12,92.34 66.1,92.33 66.06,92.3 66.04,92.29 66.02,92.28 66,92.28 65.98,92.29 65.96,92.3 65.94,92.31 65.83,92.42 65.82,92.44 65.81,92.46 65.81,92.48 65.81,92.5 65.81,92.52 65.82,92.54 65.85,92.58 65.86,92.6 65.86,92.62 65.86,92.64 65.86,92.66 65.85,92.68 65.83,92.7 65.73,92.81 65.71,92.82 65.69,92.83 65.67,92.84 65.65,92.84 65.62,92.83 65.6,92.82 65.57,92.79 65.55,92.78 65.53,92.78 65.5,92.78 65.48,92.78 65.46,92.79 65.45,92.81 65.34,92.91 65.33,92.93 65.32,92.95 65.31,92.97 65.31,93 65.32,93.02 65.33,93.04 65.34,93.06 65.44,93.16 65.45,93.17 65.46,93.18 65.46,93.19 65.46,93.2 65.46,93.21 65.45,93.22 65.44,93.23 65.27,93.41 65.26,93.42 65.25,93.42 65.24,93.42 65.23,93.42 65.22,93.42 65.21,93.42 65.2,93.41 65.09,93.3 65.07,93.29 65.05,93.28 65.03,93.27 65.01,93.27 64.99,93.28 64.97,93.29 64.95,93.3 64.84,93.41 64.83,93.43 64.82,93.45 64.82,93.47 64.82,93.49 64.82,93.51 64.83,93.53 64.86,93.57 64.87,93.59 64.87,93.61 64.87,93.63 64.87,93.65 64.86,93.67 64.84,93.69 64.83,93.71 64.81,93.72 64.78,93.72 64.76,93.72 64.74,93.72 64.72,93.71 64.69,93.68 64.66,93.67 64.64,93.66 64.62,93.66 64.6,93.67 64.58,93.68 64.56,93.69 64.46,93.8 64.44,93.82 64.43,93.84 64.43,93.86 64.43,93.88 64.43,93.9 64.44,93.92 64.47,93.96 64.48,93.98 64.48,94 64.48,94.02 64.48,94.04 64.47,94.06 64.46,94.08 64.35,94.19 64.33,94.2 64.3,94.22 64.27,94.22 64.25,94.22 64.22,94.22 64.19,94.2 64.15,94.17 64.13,94.16 64.1,94.15 64.07,94.15 64.04,94.16 64.02,94.17 64,94.19 63.92,94.26 63.91,94.28 63.9,94.3 63.89,94.33 63.89,94.36 63.9,94.39 63.91,94.41 63.94,94.46 63.95,94.48 63.96,94.51 63.96,94.54 63.95,94.56 63.94,94.59 63.92,94.61 63.85,94.68 63.83,94.7 63.81,94.71 63.78,94.72 63.75,94.72 63.72,94.71 63.7,94.7 63.66,94.66 63.63,94.65 63.6,94.65 63.57,94.65 63.55,94.65 63.52,94.66 63.5,94.68 63.43,94.75 63.41,94.77 63.4,94.8 63.39,94.83 63.39,94.85 63.4,94.88 63.41,94.91 63.45,94.95 63.46,94.98 63.47,95 63.47,95.03 63.46,95.06 63.45,95.08 63.43,95.11 63.36,95.18 63.34,95.19 63.31,95.21 63.28,95.21 63.26,95.21 63.23,95.21 63.2,95.19 63.16,95.16 63.14,95.15 63.11,95.14 63.08,95.14 63.05,95.15 63.03,95.16 63.01,95.18 62.93,95.25 62.92,95.27 62.91,95.29 62.9,95.32 62.9,95.35 62.91,95.38 62.92,95.4 62.95,95.45 62.96,95.47 62.97,95.5 62.97,95.53 62.96,95.55 62.95,95.58 62.93,95.6 62.86,95.67 62.84,95.69 62.82,95.7 62.79,95.71 62.76,95.71 62.73,95.7 62.71,95.69 62.67,95.65 62.64,95.64 62.61,95.64 62.59,95.64 62.56,95.64 62.53,95.65 62.51,95.67 62.44,95.74 62.42,95.76 62.41,95.79 62.4,95.82 62.4,95.84 62.41,95.87 62.42,95.9 62.46,95.94 62.47,95.97 62.48,95.99 62.48,96.02 62.47,96.05 62.46,96.07 62.44,96.1 62.37,96.17 62.35,96.18 62.32,96.2 62.29,96.2 62.27,96.2 62.24,96.2 62.21,96.18 62.17,96.15 62.15,96.14 62.12,96.13 62.09,96.13 62.06,96.14 62.04,96.15 62.02,96.17 61.94,96.24 61.93,96.26 61.92,96.28 61.91,96.31 61.91,96.34 61.92,96.37 61.93,96.39 61.96,96.44 61.97,96.46 61.98,96.49 61.98,96.52 61.97,96.54 61.96,96.57 61.94,96.59 61.87,96.66 61.85,96.68 61.83,96.69 61.8,96.7 61.77,96.7 61.74,96.69 61.72,96.68 61.68,96.64 61.65,96.63 61.62,96.63 61.6,96.63 61.57,96.63 61.54,96.64 61.52,96.66 61.45,96.73 61.43,96.75 61.42,96.78 61.41,96.81 61.41,96.83 61.42,96.86 61.43,96.89 61.47,96.93 61.48,96.96 61.49,96.98 61.49,97.01 61.48,97.04 61.47,97.06 61.45,97.09 61.38,97.16 61.36,97.17 61.33,97.19 61.3,97.19 61.28,97.19 61.25,97.19 61.22,97.17 61.18,97.14 61.16,97.13 61.13,97.12 61.1,97.12 61.07,97.13 61.05,97.14 61.03,97.16 60.95,97.23 60.94,97.25 60.93,97.27 60.92,97.3 60.92,97.33 60.93,97.36 60.94,97.38 60.97,97.43 60.98,97.45 60.99,97.48 60.99,97.51 60.98,97.53 60.97,97.56 60.95,97.58 60.88,97.65 60.86,97.67 60.84,97.68 60.81,97.69 60.78,97.69 60.75,97.68 60.73,97.67 60.69,97.63 60.66,97.62 60.63,97.62 60.61,97.62 60.58,97.62 60.55,97.63 60.53,97.65 60.46,97.72 60.44,97.74 60.43,97.77 60.42,97.8 60.42,97.82 60.43,97.85 60.44,97.88 60.48,97.92 60.49,97.95 60.5,97.97 60.5,98 60.49,98.03 60.48,98.05 60.46,98.08 60.39,98.15 60.37,98.16 60.34,98.18 60.31,98.18 60.29,98.18 60.26,98.18 60.23,98.16 60.19,98.13 60.17,98.12 60.14,98.11 60.11,98.11 60.08,98.12 60.06,98.13 60.04,98.15 59.96,98.22 59.95,98.24 59.94,98.26 59.93,98.29 59.93,98.32 59.94,98.35 59.95,98.37 59.98,98.42 59.99,98.44 60,98.47 60,98.5 59.99,98.52 59.98,98.55 59.96,98.57 59.89,98.64 59.87,98.66 59.85,98.67 59.82,98.68 59.79,98.68 59.76,98.67 59.74,98.66 59.7,98.62 59.67,98.61 59.64,98.61 59.62,98.61 59.59,98.61 59.56,98.62 59.54,98.64 59.47,98.71 59.45,98.73 59.44,98.76 59.43,98.79 59.43,98.81 59.44,98.84 59.45,98.87 59.47,98.89 59.61,99.03 59.62,99.04 59.63,99.06 59.63,99.07 59.63,99.09 59.63,99.11 59.62,99.12 59.61,99.14 59.47,99.28 59.46,99.29 59.44,99.3 59.43,99.3 59.41,99.3 59.39,99.3 59.38,99.29 59.36,99.28 59.22,99.14 59.2,99.12 59.18,99.11 59.15,99.1 59.12,99.1 59.09,99.11 59.07,99.12 59.05,99.14 58.97,99.21 58.96,99.23 58.95,99.25 58.94,99.28 58.94,99.31 58.95,99.34 58.96,99.36 58.99,99.41 59,99.43 59.01,99.46 59.01,99.49 59,99.51 58.99,99.54 58.97,99.56 58.7,99.84 58.55,99.84 58.51,99.84 58.47,99.86 58.44,99.88 58.41,99.91 58.39,99.94 58.37,99.98 58.37,100.05 58.35,100.09 58.33,100.12 58.3,100.15 58.27,100.17 58.23,100.19 58.2,100.19 58.16,100.19 58.12,100.17 58.09,100.15 58.06,100.12 58.04,100.09 58.02,100.05 58.02,100.01 58.02,99.84 58.02,99.69 58.02,99.66 58.01,99.63 57.99,99.6 57.96,99.57 57.94,99.56 57.9,99.54 57.87,99.54 57.82,99.54 57.79,99.54 57.76,99.56 57.73,99.57 57.7,99.6 57.69,99.63 57.67,99.66 57.67,99.69 57.67,100.01 57.67,100.05 57.65,100.09 57.63,100.12 57.6,100.15 57.57,100.17 57.53,100.19 57.5,100.19 57.46,100.19 57.42,100.17 57.39,100.15 57.36,100.12 57.34,100.09 57.32,100.05 57.32,100.01 57.32,99.67 57.32,99.63 57.3,99.59 57.28,99.56 57.25,99.53 57.22,99.51 57.18,99.49 57.15,99.49 57.11,99.49 57.07,99.51 57.04,99.53 57.01,99.56 56.99,99.59 56.97,99.63 56.97,99.7 56.95,99.74 56.93,99.77 56.9,99.8 56.87,99.82 56.83,99.84 56.8,99.84 52.6,99.84 52.38,100.06 51.65,100.06 51.45,100.26 50.25,100.26 50.01,100.02 49,100.02 ; v1(48.94,99.96) 49.01,100.03
  vias: v1(63.27,85.62)
